# Altium PCB usb-cereal-cp-pcb.PcbDoc (continued)
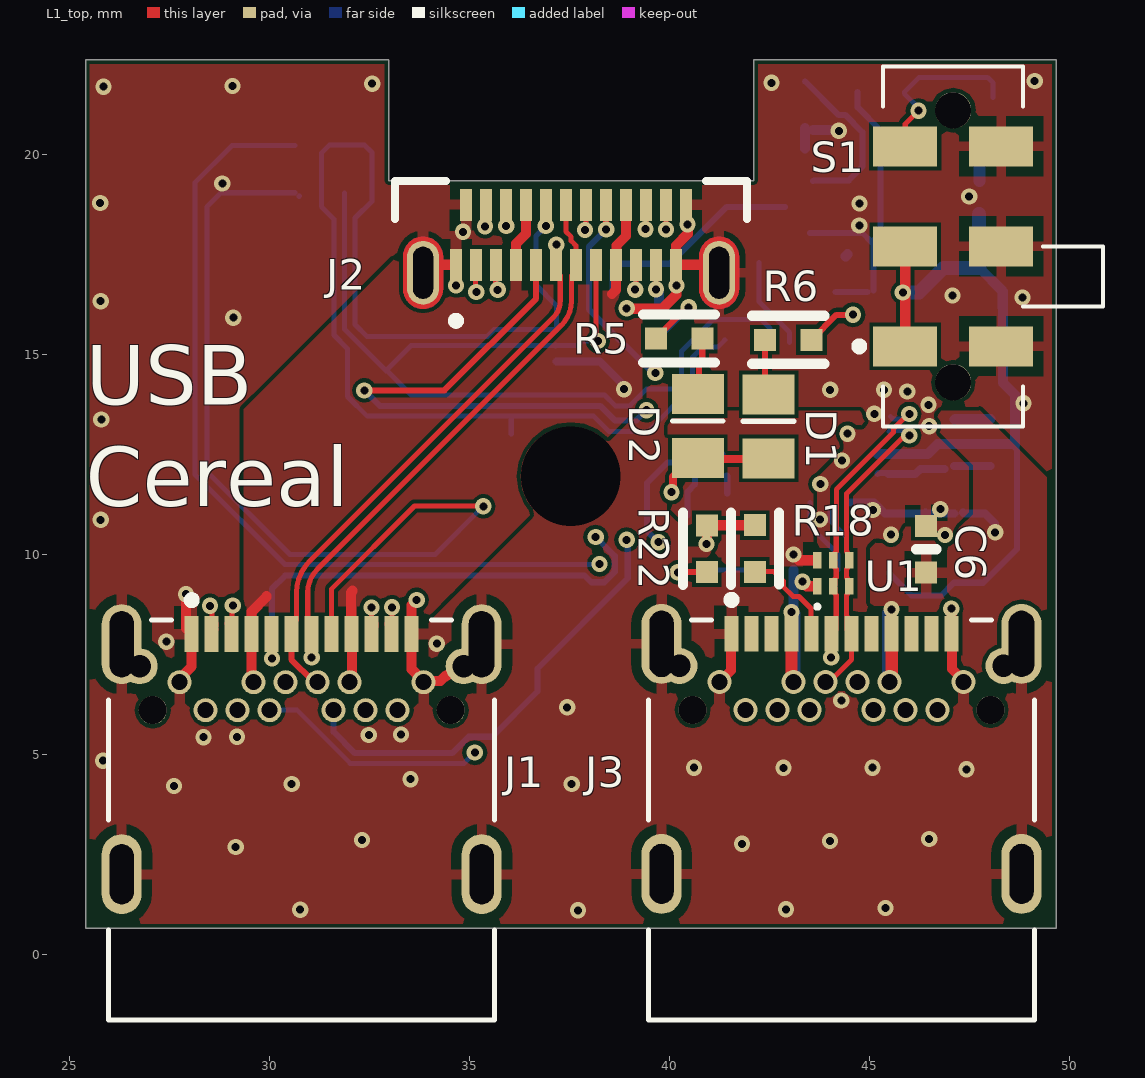
[diagram p0: L1_top view]
## Footprints (in the part's own frame and the unit in brackets; to place one, negate y for a bottom-side part, rotate by r counter-clockwise, add the part's x,y. Pads: shape width x height; smd on the part's side, far side on the other; paste and mask are expansions set on the pad) (continued)
  L6_bot region: 3.726,1.849 3.752,1.847 3.778,1.844 3.804,1.839 3.829,1.833 3.855,1.826 3.879,1.817 3.903,1.807 3.927,1.796 3.95,1.783 3.972,1.769 3.994,1.755 4.015,1.739 4.035,1.722 4.054,1.704 4.072,1.685 4.089,1.665 4.105,1.644 4.119,1.622 4.133,1.6 4.146,1.577 4.157,1.553 4.167,1.529 4.176,1.505 4.183,1.479 4.189,1.454 4.194,1.428 4.197,1.402 4.199,1.376 4.2,1.35 4.2,0.55 4.199,0.524 4.197,0.498 4.194,0.472 4.189,0.446 4.183,0.421 4.176,0.395 4.167,0.371 4.157,0.347 4.146,0.323 4.133,0.3 4.119,0.278 4.105,0.256 4.089,0.235 4.072,0.215 4.054,0.196 4.035,0.178 4.015,0.161 3.994,0.145 3.972,0.131 3.95,0.117 3.927,0.104 3.903,0.093 3.879,0.083 3.855,0.074 3.829,0.067 3.804,0.061 3.778,0.056 3.752,0.053 3.726,0.051 3.7,0.05 3.674,0.051 3.648,0.053 3.622,0.056 3.596,0.061 3.571,0.067 3.545,0.074 3.521,0.083 3.497,0.093 3.473,0.104 3.45,0.117 3.428,0.131 3.406,0.145 3.385,0.161 3.365,0.178 3.346,0.196 3.328,0.215 3.311,0.235 3.295,0.256 3.281,0.278 3.267,0.3 3.254,0.323 3.243,0.347 3.233,0.371 3.224,0.395 3.217,0.421 3.211,0.446 3.206,0.472 3.203,0.498 3.201,0.524 3.2,0.55 3.2,1.35 3.201,1.376 3.203,1.402 3.206,1.428 3.211,1.454 3.217,1.479 3.224,1.505 3.233,1.529 3.243,1.553 3.254,1.577 3.267,1.6 3.281,1.622 3.295,1.644 3.311,1.665 3.328,1.685 3.346,1.704 3.365,1.722 3.385,1.739 3.406,1.755 3.428,1.769 3.45,1.783 3.473,1.796 3.497,1.807 3.521,1.817 3.545,1.826 3.571,1.833 3.596,1.839 3.622,1.844 3.648,1.847 3.674,1.849 3.7,1.85
  silkscreen extent -4.4,-1.35 4.4,2.25
JS202011JAQN [mm]
  rect 1x1.6 smd: 1(-2.5,1.2) 2(0,1.2) 3(2.5,1.2) 4(-2.5,-1.2) 5(0,-1.2) 6(2.5,-1.2)
  round 0.9 hole 0.9 unplated: ""(-3.4,0) ""(3.4,0)
  silkscreen extent -4.5,-3.75 4.5,2.45
ONSC-UDFN-6-517AA-01_V [mm] "SON, 6-Leads, Body 1.2x1mm, Pitch 0.4mm"
  rect 0.42x0.22 smd: 1(-0.325,0.4) 2(-0.325,0) 3(-0.325,-0.4) 4(0.325,-0.4) 5(0.325,0) 6(0.325,0.4)
  silkscreen extent -0.88,0.35 -0.79,0.45, body extent -0.5,-0.6 0.5,0.6, height 0.55
QFN50P400X400X80-25N [mm]
  rrect25% 0.84x0.26 smd: 1(-1.935,1.25) 2(-1.935,0.75) 3(-1.935,0.25) 4(-1.935,-0.25) 5(-1.935,-0.75) 6(-1.935,-1.25) 13(1.935,-1.25) 14(1.935,-0.75) 15(1.935,-0.25) 16(1.935,0.25) 17(1.935,0.75) 18(1.935,1.25)
  rrect25% 0.26x0.84 smd: 7(-1.25,-1.935) 8(-0.75,-1.935) 9(-0.25,-1.935) 10(0.25,-1.935) 11(0.75,-1.935) 12(1.25,-1.935) 19(1.25,1.935) 20(0.75,1.935) 21(0.25,1.935) 22(-0.25,1.935) 23(-0.75,1.935) 24(-1.25,1.935)
  rect 2.45x2.45 smd paste-2: 25(0,0)
  silkscreen extent -3.08,-2 2,2, body extent -2,-2 2,2, height 0.81
SMD-0402-RES [mm]
  rect 0.55x0.55 smd: 1(0,0.584) 2(0,-0.584)
  silkscreen extent -0.6,-0.9 0.6,0.9, body extent -0.27,-0.57 0.28,0.58, height 0.41
SMD-0402C [mm]
  rect 0.55x0.55 smd: 1(0,0.584) 2(0,-0.584)
  silkscreen extent -0.25,0 0.25,0, body extent -0.25,-0.51 0.25,0.51, height 0.51
Testpoint [mm] "Testpoint 0.45mm"
  round 0.55 smd paste-1: 1(0,0)
  silkscreen extent -0.46,-0.46 0.46,0.46
TI-DGK8_N [mm] "SOP, 8-Leads, Body 3x3mm, Pitch 0.65mm, IPC Medium Density"
  oval 1.6x0.4 smd: 1(-2.1,0.975) 2(-2.1,0.325) 3(-2.1,-0.325) 4(-2.1,-0.975) 5(2.1,-0.975) 6(2.1,-0.325) 7(2.1,0.325) 8(2.1,0.975)
  silkscreen extent -2.22,-1.55 0.9,1.85, body extent -1.55,-1.55 1.55,1.55, height 1.1

## Part data
C1 C9 C10: library part GCM155C71A105KE38D, "CAP CER 1UF 10V X7S 0402", Digi-Key Part Number=490-13409-1-ND, Manufacturer="Murata Electronics North America", Operating Temperature="-55°C ~ 125°C", Package / Case="0402 (1005 Metric)", Ratings=AEC-Q200, Temperature Coefficient=X7S, Tolerance=±10%, Voltage=10V, @ qty=0, Applications=Automotive, Datasheets=http://www.murata.com/~/media/webrenewal/support/library/catalog/products/capacitor/mlcc/c03e.ashx, Factory Stock=0, Features=-, Height - Seated (Max)=-, Image=//media.digikey.com/Renders/Murata%20Renders/ZRB-SERIES-0402.jpg, Lead Spacing=-, Lead Style=-, Minimum Quantity=1, Mounting Type="Surface Mount, MLCC", Packaging="Cut Tape (CT)", Part Number=GCM155C71A105KE38D, Part Status=Active, Quantity Available=7240, Series=GCM, Size / Dimension="0.039\" L x 0.020\" W (1.00mm x 0.50mm)", Thickness (Max)="0.022\" (0.55mm)", Unit Price (USD)=0.12
C2 C5: library part GRM152R61A104KE19D, "CAP CER 0.1UF 10V X5R 0402", Digi-Key Part Number=490-10008-1-ND, Manufacturer="Murata Electronics North America", Operating Temperature="-55°C ~ 85°C", Package / Case="0402 (1005 Metric)", Ratings=-, Temperature Coefficient=X5R, Tolerance=±10%, Voltage=10V, @ qty=0, Applications="General Purpose", Datasheets=http://www.murata.com/~/media/webrenewal/support/library/catalog/products/capacitor/mlcc/c02e.pdf, Factory Stock=0, Features="Derating Recommended", Height - Seated (Max)=-, Image=//media.digikey.com/Renders/Murata%20Renders/ZRB-SERIES-0402.jpg, Lead Spacing=-, Lead Style=-, Minimum Quantity=1, Mounting Type="Surface Mount, MLCC", Packaging="Cut Tape (CT)", Part Number=GRM152R61A104KE19D, Part Status=Active, Quantity Available=80241, Series=GRM, Size / Dimension="0.039\" L x 0.020\" W (1.00mm x 0.50mm)", Thickness (Max)="0.009\" (0.22mm)", Unit Price (USD)=0.16
C3 C4: library part ZRB15XR61A475KE01D, "CAP CER 4.7UF 10V X5R 0402", Digi-Key Part Number=490-13252-1-ND, Manufacturer="Murata Electronics North America", Operating Temperature="-55°C ~ 85°C", Package / Case="0402 (1005 Metric)", Ratings=-, Temperature Coefficient=X5R, Tolerance=±10%, Voltage=10V, @ qty=0, Applications="Acoustic Noise Reduction", Datasheets=http://search.murata.co.jp/Ceramy/image/img/A01X/G101/ENG/ZRB15XR61A475KE01-01.pdf, Factory Stock=0, Features="Derating Recommended, Interposer Termination", Height - Seated (Max)=-, Image=//media.digikey.com/Renders/Murata%20Renders/ZRB-SERIES-0402.jpg, Lead Spacing=-, Lead Style=-, Minimum Quantity=1, Mounting Type="Surface Mount, MLCC", Packaging="Cut Tape (CT)", Part Number=ZRB15XR61A475KE01D, Part Status=Active, Quantity Available=23076, Series=ZRB, Size / Dimension="0.039\" L x 0.020\" W (1.00mm x 0.50mm)", Thickness (Max)="0.031\" (0.80mm)", Unit Price (USD)=0.28
C6: library part GCM155R71E103KA37D, "CAP CER 10000PF 25V X7R 0402", Digi-Key Part Number=490-6043-1-ND, Manufacturer="Murata Electronics North America", Operating Temperature="-55°C ~ 125°C", Package / Case="0402 (1005 Metric)", Ratings=AEC-Q200, Temperature Coefficient=X7R, Tolerance=±10%, Voltage=25V, @ qty=0, Applications=Automotive, Datasheets=http://www.murata.com/~/media/webrenewal/support/library/catalog/products/capacitor/mlcc/c03e.ashx, Factory Stock=0, Features=-, Height - Seated (Max)=-, Image=//media.digikey.com/Renders/Murata%20Renders/ZRB-SERIES-0402.jpg, Lead Spacing=-, Lead Style=-, Minimum Quantity=1, Mounting Type="Surface Mount, MLCC", Packaging="Cut Tape (CT)", Part Number=GCM155R71E103KA37D, Part Status=Active, Quantity Available=128782, Series=GCM, Size / Dimension="0.039\" L x 0.020\" W (1.00mm x 0.50mm)", Thickness (Max)="0.022\" (0.55mm)", Unit Price (USD)=0.1
D1: "LED", Color=Green
D2: "LED", Color=Yellow
J1 J3: "Type C, USB 3.1 Gen 2, 5 A, Right Angle, Surface Mount _SMT_ , USB Receptacle", Package=None, Availability=Unavailable, CUI_purchase_URL=https://www.cuidevices.com/product/interconnect/connectors/usb-connectors/uj31-ch-g1-smt-tr?utm_source=snapeda.com&utm_medium=referral&utm_campaign=snapedaBOM, MF="CUI Devices", MP=UJ31-CH-G1-SMT-TR, Price=None, SnapEDA_Link=https://www.snapeda.com/parts/UJ31-CH-G1-SMT-TR/CUI%20Devices/view-part/2754415/?ref=snap
J2: Package=None, Availability=Unavailable, Check_prices=https://www.snapeda.com/parts/USB4155-03-C/Global%20Connector%20Technology/view-part/5877141/?ref=eda, MF="Global Connector Technology", MP=USB4155-03-C, Price=None, SnapEDA_Link=https://www.snapeda.com/parts/USB4155-03-C/Global%20Connector%20Technology/view-part/5877141/?ref=snap
R1 R2 R16: library part ERJ-2GE0R00X, "RES SMD 0.0OHM JUMPER 1/10W 0402", Digi-Key Part Number=P0.0JCT-ND, Manufacturer="Panasonic Electronic Components", Operating Temperature="-55°C ~ 155°C", Package / Case="0402 (1005 Metric)", Power (Watts)="0.1W, 1/10W", Supplier Device Package=0402, Temperature Coefficient=-, Tolerance=Jumper, @ qty=1500, Composition="Thick Film", Datasheets=http://industrial.panasonic.com/www-cgi/jvcr13pz.cgi?E+PZ+3+AOA0001+ERJ2GE0R00X+7+WW, Factory Stock=0, Failure Rate=-, Features="Automotive AEC-Q200", Height - Seated (Max)="0.016\" (0.40mm)", Image=//media.digikey.com/Photos/Panasonic%20Photos/ERJ-PA2-Series.jpg, Minimum Quantity=1, Number of Terminations=2, Packaging="Cut Tape (CT)", Part Number=ERJ-2GE0R00X, Part Status=Active, Quantity Available=3152483, Series=ERJ, Size / Dimension="0.039\" L x 0.020\" W (1.00mm x 0.50mm)", Unit Price (USD)=0.00384
R5: library part ERJ-PA2F1001X, "RES SMD 1K OHM 1% 1/5W 0402", Digi-Key Part Number=P17224CT-ND, Manufacturer="Panasonic Electronic Components", Operating Temperature="-55°C ~ 155°C", Package / Case="0402 (1005 Metric)", Power (Watts)="0.2W, 1/5W", Supplier Device Package=0402, Temperature Coefficient=±100ppm/°C, Tolerance=±1%, @ qty=1500, Composition="Thick Film", Datasheets=https://industrial.panasonic.com/cdbs/www-data/pdf/RDA0000/AOA0000C243.pdf, Factory Stock=0, Failure Rate=-, Features="Automotive AEC-Q200, Pulse Withstanding", Height - Seated (Max)="0.016\" (0.40mm)", Image=//media.digikey.com/Photos/Panasonic%20Photos/ERJ-PA2-Series.jpg, Minimum Quantity=1, Number of Terminations=2, Packaging="Cut Tape (CT)", Part Number=ERJ-PA2F1001X, Part Status=Active, Quantity Available=20954, Series=ERJ, Size / Dimension="0.039\" L x 0.020\" W (1.00mm x 0.50mm)", Unit Price (USD)=0.03029
R6: library part ERJ-2RKF2700X, "RES SMD 270 OHM 1% 1/10W 0402", Digi-Key Part Number=P270LCT-ND, Manufacturer="Panasonic Electronic Components", Operating Temperature="-55°C ~ 155°C", Package / Case="0402 (1005 Metric)", Power (Watts)="0.1W, 1/10W", Supplier Device Package=0402, Temperature Coefficient=±100ppm/°C, Tolerance=±1%, @ qty=1500, Composition="Thick Film", Datasheets=http://industrial.panasonic.com/www-cgi/jvcr13pz.cgi?E+PZ+3+AOA0002+ERJ2RKF2700X+7+WW, Factory Stock=0, Failure Rate=-, Features="Automotive AEC-Q200", Height - Seated (Max)="0.016\" (0.40mm)", Image=//media.digikey.com/Photos/Panasonic%20Photos/ERJ-PA2-Series.jpg, Minimum Quantity=1, Number of Terminations=2, Packaging="Cut Tape (CT)", Part Number=ERJ-2RKF2700X, Part Status=Active, Quantity Available=74905, Series=ERJ, Size / Dimension="0.039\" L x 0.020\" W (1.00mm x 0.50mm)", Unit Price (USD)=0.00496
R9 R10: library part ERJ-2RKF5362X, "RES SMD 53.6K OHM 1% 1/10W 0402", Digi-Key Part Number=P53.6KLCT-ND, Manufacturer="Panasonic Electronic Components", Operating Temperature="-55°C ~ 155°C", Package / Case="0402 (1005 Metric)", Power (Watts)="0.1W, 1/10W", Supplier Device Package=0402, Temperature Coefficient=±100ppm/°C, Tolerance=±1%, @ qty=1500, Composition="Thick Film", Datasheets=http://industrial.panasonic.com/www-cgi/jvcr13pz.cgi?E+PZ+3+AOA0002+ERJ2RKF5362X+7+WW, Factory Stock=0, Failure Rate=-, Features="Automotive AEC-Q200", Height - Seated (Max)="0.016\" (0.40mm)", Image=//media.digikey.com/Photos/Panasonic%20Photos/ERJ-PA2-Series.jpg, Minimum Quantity=1, Number of Terminations=2, Packaging="Cut Tape (CT)", Part Number=ERJ-2RKF5362X, Part Status=Active, Quantity Available=72822, Series=ERJ, Size / Dimension="0.039\" L x 0.020\" W (1.00mm x 0.50mm)", Unit Price (USD)=0.00496
R11 R15 R20: library part ERJ-2RKF2212X, "RES SMD 22.1K OHM 1% 1/10W 0402", Digi-Key Part Number=P22.1KLCT-ND, Manufacturer="Panasonic Electronic Components", Operating Temperature="-55°C ~ 155°C", Package / Case="0402 (1005 Metric)", Power (Watts)="0.1W, 1/10W", Supplier Device Package=0402, Temperature Coefficient=±100ppm/°C, Tolerance=±1%, @ qty=1500, Composition="Thick Film", Datasheets=http://industrial.panasonic.com/www-cgi/jvcr13pz.cgi?E+PZ+3+AOA0002+ERJ2RKF2212X+7+WW, Factory Stock=0, Failure Rate=-, Features="Automotive AEC-Q200", Height - Seated (Max)="0.016\" (0.40mm)", Image=//media.digikey.com/Photos/Panasonic%20Photos/ERJ-PA2-Series.jpg, Minimum Quantity=1, Number of Terminations=2, Packaging="Cut Tape (CT)", Part Number=ERJ-2RKF2212X, Part Status=Active, Quantity Available=155553, Series=ERJ, Size / Dimension="0.039\" L x 0.020\" W (1.00mm x 0.50mm)", Unit Price (USD)=0.00496
R12: library part ERJ-2RKF3012X, "RES SMD 30.1K OHM 1% 1/10W 0402", Digi-Key Part Number=P30.1KLCT-ND, Manufacturer="Panasonic Electronic Components", Operating Temperature="-55°C ~ 155°C", Package / Case="0402 (1005 Metric)", Power (Watts)="0.1W, 1/10W", Supplier Device Package=0402, Temperature Coefficient=±100ppm/°C, Tolerance=±1%, @ qty=1500, Composition="Thick Film", Datasheets=http://industrial.panasonic.com/www-cgi/jvcr13pz.cgi?E+PZ+3+AOA0002+ERJ2RKF3012X+7+WW, Factory Stock=0, Failure Rate=-, Features="Automotive AEC-Q200", Height - Seated (Max)="0.016\" (0.40mm)", Image=//media.digikey.com/Photos/Panasonic%20Photos/ERJ-PA2-Series.jpg, Minimum Quantity=1, Number of Terminations=2, Packaging="Cut Tape (CT)", Part Number=ERJ-2RKF3012X, Part Status=Active, Quantity Available=32482, Series=ERJ, Size / Dimension="0.039\" L x 0.020\" W (1.00mm x 0.50mm)", Unit Price (USD)=0.00496
R18 R22: library part ERJ-2RKF5101X, "RES SMD 5.1K OHM 1% 1/10W 0402", Digi-Key Part Number=P5.10KLCT-ND, Manufacturer="Panasonic Electronic Components", Operating Temperature="-55°C ~ 155°C", Package / Case="0402 (1005 Metric)", Power (Watts)="0.1W, 1/10W", Supplier Device Package=0402, Temperature Coefficient=±100ppm/°C, Tolerance=±1%, @ qty=1500, Composition="Thick Film", Datasheets=http://industrial.panasonic.com/www-cgi/jvcr13pz.cgi?E+PZ+3+AOA0002+ERJ2RKF5101X+7+WW, Factory Stock=0, Failure Rate=-, Features="Automotive AEC-Q200", Height - Seated (Max)="0.016\" (0.40mm)", Image=//media.digikey.com/Photos/Panasonic%20Photos/ERJ-PA2-Series.jpg, Minimum Quantity=1, Number of Terminations=2, Packaging="Cut Tape (CT)", Part Number=ERJ-2RKF5101X, Part Status=Active, Quantity Available=553973, Series=ERJ, Size / Dimension="0.039\" L x 0.020\" W (1.00mm x 0.50mm)", Unit Price (USD)=0.00496
R21: library part ERJ-2RKF4752X, "RES SMD 47.5K OHM 1% 1/10W 0402", Digi-Key Part Number=P47.5KLCT-ND, Manufacturer="Panasonic Electronic Components", Operating Temperature="-55°C ~ 155°C", Package / Case="0402 (1005 Metric)", Power (Watts)="0.1W, 1/10W", Supplier Device Package=0402, Temperature Coefficient=±100ppm/°C, Tolerance=±1%, @ qty=1500, Composition="Thick Film", Datasheets=http://industrial.panasonic.com/www-cgi/jvcr13pz.cgi?E+PZ+3+AOA0002+ERJ2RKF4752X+7+WW, Factory Stock=0, Failure Rate=-, Features="Automotive AEC-Q200", Height - Seated (Max)="0.016\" (0.40mm)", Image=//media.digikey.com/Photos/Panasonic%20Photos/ERJ-PA2-Series.jpg, Minimum Quantity=1, Number of Terminations=2, Packaging="Cut Tape (CT)", Part Number=ERJ-2RKF4752X, Part Status=Active, Quantity Available=168568, Series=ERJ, Size / Dimension="0.039\" L x 0.020\" W (1.00mm x 0.50mm)", Unit Price (USD)=0.00496
S1: "Slide Switch DPDT Surface Mount, Right Angle", Package=None, Availability=Unavailable, MF=C&K, MP=JS202011JAQN, Price=None, SnapEDA_Link=https://www.snapeda.com/parts/JS202011JAQN/C&K/view-part/564121/?ref=snap
TP1 TP3 TP4 TP5 TP6 TP7 TP8 TP9: library part Testpoint
U1 U4: "Ultra Low Capacitance ESD Protection Array for High Speed Data Line Protection, 6-Pin UDFN, Pb-Free, Tape and Reel", Manufacturer="On Semiconductor", Supplier Part Number 1=92T2061, C Max (pF)=0.6, ComponentLink1Description="Manufacturer URL", ComponentLink1URL=http://www.onsemi.com/, ComponentLink2Description=Datasheet, ComponentLink2URL=http://www.onsemi.cn/pub_link/Collateral/ESDR0502N-D.PDF, ComponentLink3Description="Package Specification", ComponentLink3URL=http://www.onsemi.com/pub_link/Collateral/517AA.PDF, DatasheetVersion="Rev. 4", Direction=Unidirectional, IR Max (uA)=1, Mounting Technology="Surface Mount", Number of Lines=4, PackageDescription="6-Pin Small Outline No-Lead, Body 1.2 x 1 mm, Pitch 0.4 mm", PackageReference=UDFN-6-517AA-01, PackageVersion="Rev. D, 09/2010", Packing="Tape and Reel", PartNumber=ESDR0502NMUTAG, PPK Max (W)=100, RoHS=Pb-Free, Supplier 1=Newark, Supplier 2=Mouser, Supplier Part Number 2=863-ESDR0502NMUTAG, V(BR) Min (V)=6, VRWM Max (V)=5.5
U2: "Single Output Fast Transient Response LDO, 250 mA, Adjustable 1.5 to 5.5 V Output, 2.7 to 10 V Input, with Power Good Output, 8-pin MSOP (DGK), -40 to 125 degC, Green (RoHS & no Sb/Br)", Manufacturer="Texas Instruments", Power Good=TRUE, Supplier Part Number 1=296-8115-5-ND, Accuracy(%)=2, Code_JEDEC=MO-187, ComponentLink1Description="Manufacturer URL", ComponentLink1URL=http://www.ti.com/, ComponentLink2Description=Datasheet, ComponentLink2URL=http://www.ti.com/general/docs/lit/getliterature.tsp?genericPartNumber=TPS77401&fileType=pdf, ComponentLink3Description="Package Specification", ComponentLink3URL=http://www.ti.com/litv/pdf/mpds028d, DatasheetVersion=SLVS281E, Eco-Plan="Green (RoHS & no Sb/Br)", Iout(Max)(A)=0.25, Iq(Typ)(mA)=0.09, Mounting Technology="Surface Mount", PackageDescription="8-Pin Thin Small Outline Package 3 x 3 mm Body ,0.65 mm Pitch", PackageReference=DGK8, PackageVersion=4073329/E, PartNumber=TPS77401DGK, SubFamily="Single Channel LDO", Supplier 1=Digi-Key, Supplier 2=Newark, Supplier 3=Mouser, Supplier Part Number 2=77C1228, Supplier Part Number 3=595-TPS77401DGK, Vdo(Typ)(mV)=200, Vin(Max)(V)=10, Vin(Min)(V)=2.7, Vout Adj(Max)(V)=5.5, Vout Adj(Min)(V)=1.5
U3: "USB Bridge, USB to UART USB 2.0 UART Interface 24-QFN _4x4_", Package="WFQFN-24 Silicon Labs", Availability=Unavailable, MF="Silicon Labs", MP=CP2102N-A02-GQFN24R, Price=None, SnapEDA_Link=https://www.snapeda.com/parts/CP2102N-A02-GQFN24R/Silicon%20Labs/view-part/3601234/?ref=snap

## Free pads (board coordinates)
  round 1.524 hole 2.489 mask+0.102: 2(37.525,11.941)

## Via types
v1: diameter 0.406, hole 0.2, L1_top to L6_bot, tented both sides, 72 vias
v2: diameter 0.406, hole 0.2, L1_top to L3_top_sig, tented both sides, 38 vias
v3: diameter 0.406, hole 0.2, L6_bot to L4_bot_sig, tented both sides, 31 vias

## Nets (pads, with @x,y where several pads share a name; then routed paths per layer and width w, separated by ;. In a path a pad name is that pad's centre, name@x,y a point inside that pad or via, vN(x,y) a via of type N, cw(c..) or ccw(c..) an arc to the next point about the centre after c; other vN are vias at no path point)
A5_CC1: J1.A5 J2.A5 | length 29.4
  L1_top w0.152: J1.A5@30.047,7.777 30.078,7.746 30.058,7.726 v1(30.058,7.389) ; v1(32.368,14.091) 34.364,14.091 36.66,16.387 J2.A5
  L4_bot_sig w0.152: v1(38.149,10.426) 38.252,10.426 39.052,11.226 39.052,13.226 v1(39.422,13.596)
  L6_bot w0.152: v1(30.058,7.389) 30.058,9.135 30.386,9.462 37.874,9.462 38.042,9.295 38.364,9.295 38.627,9.557 38.627,9.948 v1(38.149,10.426) ; v1(32.368,14.091) 32.757,13.702 38.269,13.702 38.632,13.339 39.166,13.339 v1(39.422,13.596)
A8_SBU1: J2.A8 R2.1 TP5.1 U3.20 U4.2 U4.5 | length 23.7
  L1_top w0.127: J2.A8@38.162,16.993 38.162,15.377 v1@38.184,15.355
  L6_bot w0.127: R2.1 31.869,15.623 TP5.1 33.538,15.211 U4.2 37.146,15.211 U4.5@37.15,15.207 ; TP5.1@32.921,14.594 33.541,13.974 38.373,13.974 38.641,13.706 39.001,13.706 39.425,14.13 40.102,14.13 40.3,14.328 40.3,15.076 v3(41.009,15.785) ; U4.5@37.144,15.223 37.151,15.216 37.685,15.216 37.793,15.324 v1(38.205,15.324) ; v3@41.035,15.812 41.091,15.868 42.282,15.868 42.507,15.642 U3.20@42.507,15.376
B5_CC2: J1.B5 J2.B5 | length 21.1
  L1_top w0.152: J2.B5 38.41,18.141 v1@38.414,18.137
  L4_bot_sig w0.152: v1(38.927,10.356) 39.193,10.356 39.47,10.634 39.47,13.064 39.853,13.447 39.853,13.922 39.627,14.148 39.627,14.516 v1(39.64,14.529)
  L6_bot w0.152: J1.B5 31.6,5.554 32.129,5.024 34.569,5.024 34.978,5.433 35.564,5.433 36.696,6.565 36.696,7.137 38.952,9.394 38.952,10.331 v1(38.927,10.356) ; v1(38.414,18.117) 37.983,17.685 37.983,16.123 39.577,14.529 v1(39.64,14.529)
B8_SBU2: J2.B8 R1.1 TP3.1 U3.21 U4.3 U4.4 | length 37.2
  L1_top w0.127: v1(36.905,18.202) 36.91,18.207 J2.B8
  L4_bot_sig w0.127: v3@41.369,15.346 41.39,15.346 41.59,15.545 41.59,15.892 42.231,16.533 v3(42.231,17.289)
  L6_bot w0.127: TP3.1 36.04,13.417 36.069,13.447 ; v1(36.905,18.202) 36.656,17.953 36.656,16.724 37.167,16.214 U4.4@37.167,15.611 ; U4.4@37.167,15.601 U4.4@37.167,15.611 ; U4.4 U4.4@37.167,15.611 ; v3@41.378,15.346 41.203,15.172 40.82,15.172 40.571,14.922 40.571,14.18 39.45,13.06 38.488,13.06 38.101,13.447 36.069,13.447 ; v3(42.231,17.289) 42.231,16.31 42.998,15.543 U3.21@42.998,15.294 ; 36.069,13.447 32.441,13.447 31.948,13.939 31.948,15.136 31.61,15.474 31.61,18.371 31.292,18.689 31.292,20.021 31.493,20.221 R1.1 32.371,20.221 32.556,20.037 32.556,18.82 32.134,18.398 32.134,15.739 32.43,15.443 35.446,15.443 35.614,15.611 U4.3 U4.4@37.167,15.611
  other v3: 41.391,15.347
D_N: J1.A7 J1.B7 J2.A7 J2.B7 | length 14.7
  L1_top w0.127: J1.A7@30.953,8.049 30.953,7.651 ccw(c31.285,7.651) v2(31.05,7.416) 31.05,7.69 J1.A7@31.034,7.707 ; J1.A7@30.953,8.112 30.953,9.038 cw(c31.781,9.038) 31.195,9.623 37.295,15.723 ccw(c36.697,16.322) 37.543,16.322 J2.A7@37.543,16.96 ; J2.B7@37.411,18.467 37.411,18.058 37.538,17.931 37.538,17.832 37.66,17.71 J2.A7
  L3_top_sig w0.152: J1.B7@30.4,6.808 v2@31.029,7.437
  L4_bot_sig w0.152: J1.B7 J1.B7@30.4,6.808
D_P: J1.A6 J1.B6 J2.A6 J2.B6 | length 14.3
  L1_top w0.127: J1.A6@30.534,8.218 30.663,8.347 ccw(c30.637,8.373) 30.673,8.373 30.673,9.038 cw(c31.781,9.038) 30.998,9.821 37.098,15.921 ccw(c36.697,16.322) 37.264,16.322 J2.A6@37.264,16.961 ; v2(37.882,18.101) 37.907,18.126 J2.B6@37.907,18.478
  L1_top w0.152: J1.A6@30.544,7.989 30.541,7.985 30.541,7.363 31.088,6.816 31.2,6.816 J1.B6
  L3_top_sig w0.127: v2(37.166,17.734) 37.166,17.776 37.496,18.105 37.878,18.105 v2(37.882,18.101)
  L4_bot_sig w0.152: J1.B6 J1.B6@31.2,6.849
DBG_CC1: J3.A5 R18.2 | length 2.6
  L1_top w0.127: R18.2@42.037,9.562 42.611,9.562 42.842,9.331 42.842,9.185 43.087,8.941 43.232,8.941 43.536,8.637 J3.A5@43.536,8.02
DBG_CC2: J3.B5 R22.2 | length 13.7
  L1_top w0.152: v2(40.203,9.543) 40.21,9.549 R22.2
  L3_top_sig w0.152: v2(40.203,9.543) 39.959,9.786 38.963,9.786 38.321,9.144 38.321,5.889 39.03,5.18 44.173,5.18 J3.B5
DBG_VBUS: C1.1 C4.1 C5.1 C6.1 J3.A4 J3.A9 J3.B4 J3.B9 R15.2 TP4.1 U1.6 U2.5 U2.6 U3.7 | length 12.7
  L1_top w0.254: v1@43.086,9.991 43.234,9.843 U1.6@43.616,9.843
  L1_top w0.305: J3.A4@43.046,7.608 43.046,6.863 43.042,6.859 J3.B9 ; J3.B4 45.553,6.86 45.553,7.835 J3.A9@45.559,7.841
  L6_bot w0.203: U3.7@44.534,11.29 45.107,11.29 45.388,11.009 46.363,11.009 C5.1 46.423,11.012 C4.1@47.117,11.012 ; C4.1 47.361,11.015 47.884,11.015 48.137,10.762 v1(48.137,10.544)
  L6_bot w0.254: v1(43.048,8.551) 43.098,8.601 R15.2
  L6_bot w0.305: J3.B9 J3.B9@43.098,6.805 ; U2.6 47.747,19.96 U2.5@47.76,19.974 ; U2.5 C1.1@48.929,19.974
  L6_bot w0.356: J3.B9@43.098,6.805 v1@43.098,8.51 ; J3.B4@45.491,6.81 v1@45.491,8.518
  L6_bot w0.508: J3.B4@45.491,6.81 J3.B4
  other v1: 45.546,8.618 43.096,9.989
GND: C1.2 C2.2 C3.2 C4.2 C5.2 C6.2 C9.2 C10.2 J1.A1 J1.A12 J1.B1 J1.B12 J1.SH1 J1.SH2 J1.SH3 J1.SH4 J1.SH5 J1.SH6 J2.A1 J2.A12 J2.B1 J2.B12 J2.S1 J2.S2 J3.A1 J3.A12 J3.B1 J3.B12 J3.SH1 J3.SH2 J3.SH3 J3.SH4 J3.SH5 J3.SH6 pad.2 R12.1 R16.1 R18.1 R21.1 R22.1 S1.4 S1.5 S1.6 U1.1 U2.4 U3.2 U3.25 U4.1 | length 17.4
  L1_top w0.127: J1.B12@27.681,6.865 27.719,6.865 27.719,6.796 J1.B12 ; J1.SH5@34.59,7.146 J1.SH6@34.861,7.146 ; J3.A12@47.036,8.116 J3.A12@47.044,8.124 ; v1(47.041,8.635) v1@47.044,8.632
  L1_top w0.254: J1.B12@27.732,6.873 28.05,7.19 J1.A1 27.906,8.145 v2(27.906,8.998) ; J1.A12@33.547,8.111 33.547,8.725 v2(33.676,8.854) ; J1.A12 33.55,7.118 33.85,6.818 J1.B1 33.882,6.828 34.273,6.828 34.411,6.967 34.446,6.967 34.59,7.112 J1.SH5@34.59,7.146 ; J2.S2@34.082,17.185 34.129,17.232 J2.A1 ; v2(38.926,16.143) 38.938,16.131 39.817,16.131 40.169,16.483 v2(40.169,16.713) ; J2.B1@40.418,18.508 40.418,18.261 40.437,18.242 v1(40.446,18.242) 40.455,18.234 40.455,18.005 40.16,17.711 J2.A12 40.99,17.232 J2.S1@40.991,17.233 ; R22.1 40.931,10.255 v1@40.932,10.253 ; R22.1@40.977,10.724 40.981,10.721 R18.1 ; J3.B12 41.533,7.09 J3.A1@41.533,7.856 ; v2@43.302,9.312 43.421,9.193 U1.1@43.65,9.193 ; J3.A12@47.044,8.124 v1@47.044,8.632 ; J3.A12@47.058,7.997 47.058,7.125 47.347,6.837 J3.B1
  L6_bot w0.254: U2.4@43.385,20.136 R16.1 ; R16.1@43.583,20.601 44.209,20.601 v1(44.229,20.581) ; v3@44.403,17.445 44.444,17.485 v3(44.444,17.498) ; v1(47.041,8.635) v1(47.041,8.635) ; C2.2@47.125,13.36 47.139,13.374 C3.2
  other v1: 37.711,1.092 30.763,1.11 42.908,1.12 45.399,1.149 29.152,2.678 41.809,2.755 44.008,2.829 32.309,2.852 46.489,2.873 27.606,4.202 30.55,4.254 37.551,4.252 33.524,4.372 47.424,4.618 40.606,4.659 42.843,4.657 45.072,4.659 25.831,4.834 28.347,5.42 29.183,5.432 32.479,5.474 33.283,5.489 44.293,6.34 40.919,10.253 46.884,10.477 45.532,10.484 25.775,10.857 46.488,13.195 25.792,13.366 46.472,13.731 45.941,14.062 25.775,16.322 34.656,16.715 34.832,18.056 25.764,18.775 25.846,21.685 29.074,21.699 32.562,21.761 42.544,21.779 49.126,21.824
  other v2: 37.438,6.167 34.18,7.758 27.416,7.81 43.321,9.307 43.757,10.864 45.08,11.1 46.767,11.123 43.768,11.751 44.311,12.339 44.449,13.008 45.116,13.506 48.849,13.767 44.012,14.106 45.356,14.106 29.092,15.908 48.822,16.415 47.069,16.461 44.743,18.215 44.748,18.761 47.488,18.939 28.815,19.265
  other v3: 36.269,6.688 42.224,6.734 30.594,7.414 37.326,8.359 47.696,9.832 27.788,10.051 40.343,10.132 42.521,10.126 42.468,12.28 44.194,12.315 30.563,12.464 42.369,14.043 44.168,14.081 37.243,14.362 34.16,14.72 46.657,15.148 47.129,16.524 45.649,17.597 27.463,17.632 29.308,18.281 46.177,19 27.463,19.102
LDO_FB: R10.1 R11.1 R12.2 U2.1 | length 7.7
  L6_bot w0.152: U2.1@43.514,18.026 44.821,18.026 45.047,17.8 ; R12.2@44.153,16.549 R10.1@44.947,16.549 ; R11.1 44.7,21.165 45.271,20.593 45.271,18.024 45.047,17.8 ; R10.1@45.1,16.588 45.1,17.747 45.047,17.8
NetD1_2: D1.2 R6.2 | length 1.2
  L1_top w0.152: R6.2 42.379,14.191 D1.2@42.397,14.173
NetD2_2: D2.2 R5.2 | length 1.5
  L1_top w0.152: D2.2 40.731,14.028 40.731,14.708 40.814,14.791 40.814,15.372 cw(c40.862,15.372) R5.2@40.828,15.406
NetR9_1: R9.1 U2.2 | length 5.5
  L6_bot w0.152: R9.1@38.567,16.536 38.567,17.092 38.732,17.258 40.003,17.258 41.418,18.672 U2.2@42.879,18.672
NetR11_2: R11.2 S1.3 TP8.1 | length 4.4
  L1_top w0.127: S1.3 45.89,20.753 46.225,21.089 v1@46.225,21.097
  L6_bot w0.127: v1@46.208,21.17 45.868,21.51 R11.2 46.239,21.917 47.945,21.917 48.087,21.776 TP8.1@48.087,21.416
  other v1: 46.219,21.083
NetR15_1: R15.1 R21.2 U3.8 | length 5.4
  L4_bot_sig w0.127: v3(41.373,9.6) 42.475,10.702 44.15,10.702 v3(44.39,10.462)
  L6_bot w0.127: R21.2 41.373,9.598 41.891,9.598 R15.1@41.905,9.612 ; U3.8@44.013,11.066 44.013,10.829 44.38,10.462 v3(44.39,10.462)
NetR16_2: R16.2 U2.3 | length 4.2
  L6_bot w0.152: R16.2 44.218,20.98 44.388,20.98 44.819,20.549 44.819,19.685 44.476,19.342 43.607,19.342 U2.3@43.586,19.322
NetR20_1: R20.1 U3.9 | length 2
  L6_bot w0.127: U3.9@43.508,11.289 43.508,10.692 44.208,9.992 R20.1
RX1_N: J1.B10 J2.B10 | length 15.6
  L4_bot_sig w0.127: J1.B10 cw(c29.87,6.767) 28.922,6.767 cw(c30.087,6.767) 29.263,7.59 29.785,8.112 ccw(c29.359,8.538) 29.961,8.538 29.961,9.009 cw(c30.476,9.009) 30.112,9.373 36.43,15.692 36.456,15.717 ccw(c36.062,16.113) 36.62,16.113 36.62,16.496 ccw(c36.125,16.496) 36.557,16.738 36.557,16.764 35.83,17.492 cw(c35.902,17.564) 35.8,17.564 35.8,17.981 35.859,18.04 35.859,18.201 v1(35.913,18.201)
RX1_P: J1.B11 J2.B11 | length 15.6
  L4_bot_sig w0.127: J1.B11@28.4,6.147 J1.B11 ccw(c27.796,6.7) 28.65,6.7 cw(c30.272,6.7) 29.125,7.847 29.587,8.31 ccw(c29.359,8.538) 29.682,8.538 29.682,9.009 cw(c30.476,9.009) 29.914,9.571 36.259,15.916 ccw(c36.062,16.113) 36.341,16.113 36.341,16.496 ccw(c36.125,16.496) 36.278,16.648 35.632,17.294 cw(c35.902,17.564) 35.52,17.564 35.52,17.984 ccw(c35.312,17.984) 35.519,18.002 35.494,18.028 35.494,18.086 ccw(c35.312,17.984) 35.459,18.131 35.44,18.151 v1@35.44,18.213
  other v1: 35.384,18.194
RX2_N: J1.A10 J2.A10 | length 13
  L1_top w0.127: J1.A10@32.546,8.178 32.547,8.18 v2(32.547,8.665) ; J1.A10 ccw(c32.283,8.268) J1.A10@32.66,8.268 ; J1.A10 ccw(c32.283,8.268) J1.A10@32.659,8.238 ; J2.A10@39.133,17.199 cw(c39.082,17.149) 39.153,17.149 v2@39.153,16.614
  L3_top_sig w0.127: v2(32.547,8.665) ccw(c32.302,8.91) 32.648,8.91 32.648,9.015 cw(c34.149,9.015) 33.088,10.076 37.606,14.595 cw(c38.038,14.163) 38.038,14.773 38.745,14.773 ccw(c38.745,15.268) 39.094,14.918 ccw(c38.573,15.439) 39.31,15.439 39.31,16.383 ccw(c39.086,16.407) v2@39.156,16.622
  other v2: 39.138,16.61
RX2_P: J1.A11 J2.A11 | length 13
  L1_top w0.127: J1.A11@32.939,8.268 ccw(c33.316,8.268) J1.A11 ; J1.A11@32.941,8.238 ccw(c33.316,8.268) J1.A11 ; J1.A11@33.035,8.191 33.061,8.218 v2(33.061,8.668) ; v2(39.656,16.62) 39.656,17.174 J2.A11@39.665,17.183
  L3_top_sig w0.127: v2@33.099,8.672 33.065,8.672 v2(33.061,8.668) cw(c33.383,8.99) 32.928,8.99 32.928,9.015 cw(c34.149,9.015) 33.285,9.879 37.835,14.428 cw(c37.993,14.27) 37.993,14.494 38.745,14.494 ccw(c38.745,15.268) 39.292,14.721 ccw(c38.573,15.439) 39.589,15.439 39.589,16.593 v2(39.656,16.62)
RXLED: R5.1 TP9.1 U3.13 | length 7.6
  L1_top w0.152: R5.1 40.432,16.169 v1(40.474,16.169)
  L4_bot_sig w0.152: v1@40.491,16.174 40.491,14.731 41.402,13.819 41.402,11.515 v3(41.439,11.515)
  L6_bot w0.152: TP9.1 39.85,15.544 v1(40.474,16.169) ; U3.13@41.428,11.964 41.439,11.953 v3(41.439,11.515)
SBU1_R: J1.A8 R2.2 | length 23
  L1_top w0.127: J1.A8 31.55,9.13 33.623,11.204 v1@35.341,11.204
  L6_bot w0.127: R2.2@30.638,19.032 28.784,19.032 28.429,18.677 28.429,12.066 30.506,9.988 34.137,9.988 v1(35.341,11.192) ; R2.2@30.733,18.941 R2.2@30.74,18.948
SBU2_R: J1.B8 R1.2 | length 34.1
  L3_top_sig w0.127: v1(35.128,5.037) 36.992,5.037 37.844,5.889 37.844,9.348 38.223,9.727 v1@38.223,9.736
  L6_bot w0.127: J1.B8 30.687,6.096 32.015,4.767 34.858,4.767 v1(35.128,5.037) ; R1.2@30.638,20.209 29.056,20.209 28.129,19.282 28.129,11.99 30.383,9.737 v1@38.217,9.737
  other v1: 38.245,9.749
TX1_N: J1.A3 J2.A3 | length 12.1
  L1_top w0.127: J1.A3@28.939,8.268 ccw(c29.316,8.268) J1.A3 ; v2@29.002,8.704 29.058,8.648 29.058,8.063 29.058,8.002 J1.A3@29.064,7.996 ; v2@35.651,16.59 35.651,16.993 J2.A3@35.654,16.996
  L3_top_sig w0.127: v2@29.002,8.704 28.934,8.772 28.934,9.018 cw(c30.202,9.018) 29.305,9.915 35.404,16.013 ccw(c35.078,16.338) 35.538,16.329 35.586,16.377 35.586,16.511 cw(c35.875,16.338) 35.637,16.576 v2@35.651,16.59
  other v2: 29.079,8.713 35.7,16.607
TX1_P: J1.A2 J2.A2 | length 12.1
  L1_top w0.127: v2(28.507,8.704) 28.563,8.648 J1.A2@28.563,8.21 ; J1.A2@28.551,8.01 J1.A2@28.555,8.006 ; J1.A2@28.66,8.112 J1.A2@28.555,8.006 ; J1.A2@28.66,8.268 cw(c28.283,8.268) J1.A2@28.555,8.006 ; v2@35.146,16.595 35.146,16.897 cw(c35.234,16.897) J2.A2@35.172,16.959 ; J1.A2@28.555,8.006 cw(c28.283,8.268) J1.A2 J1.A2@28.555,8.006
  L3_top_sig w0.127: v2(28.507,8.704) 28.583,8.704 28.583,8.878 28.655,8.949 28.655,9.018 cw(c30.202,9.018) 29.108,10.112 30.153,11.157 35.206,16.21 ccw(c35.078,16.338) 35.259,16.338 ccw(c34.912,16.338) 35.157,16.584 35.146,16.595 35.146,16.572 v2@35.114,16.54
  other v2: 35.167,16.55
TX2_N: J1.B3 J2.B3 | length 16.4
  L1_top w0.127: v1@39.41,18.123 J2.B3
  L4_bot_sig w0.127: J1.B3 ccw(c31.771,6.725) 32.66,6.725 32.66,6.969 ccw(c32.402,6.969) 32.585,7.151 32.033,7.702 cw(c32.695,8.363) 31.76,8.363 31.76,9.535 cw(c32.925,9.535) 32.101,10.36 38.391,16.649 ccw(c38.239,16.801) 38.453,16.801 38.453,16.841 cw(c39.024,16.841) 38.621,17.244 38.696,17.319 cw(c39.014,17.001) 39.014,17.451 39.128,17.451 ccw(c39.128,17.595) 39.23,17.493 39.392,17.655 39.397,17.655 39.488,17.747 ccw(c39.41,17.824) 39.52,17.824 v1@39.52,18.055 ; v1@39.353,18.057 39.353,18.079 39.403,18.129 v1@39.41,18.123
  other v1: 39.396,18.122
TX2_P: J1.B2 J2.B2 | length 16.1
  L1_top w0.127: v1(39.908,18.116) J2.B2@39.908,18.535
  L4_bot_sig w0.127: J1.B2 cw(c33.828,6.725) 32.939,6.725 32.939,6.969 ccw(c32.402,6.969) 32.782,7.348 32.231,7.899 cw(c32.695,8.363) 32.039,8.363 32.039,9.535 cw(c32.925,9.535) 32.299,10.162 38.588,16.452 ccw(c38.239,16.801) 38.733,16.801 38.733,16.841 cw(c39.024,16.841) 38.818,17.046 38.893,17.121 cw(c39.014,17.001) 39.014,17.171 39.128,17.171 ccw(c39.128,17.595) 39.427,17.295 39.686,17.554 39.691,17.554 ccw(c39.428,17.817) 39.8,17.817 v1@39.8,18.055
TXLED: R6.1 TP7.1 U3.14 | length 15.3
  L1_top w0.152: R6.1 44.169,15.978 v1@44.588,15.978
  L3_top_sig w0.152: v1(39.72,10.298) 39.532,10.486 39.532,12.516 42.999,15.983 v1(44.582,15.983)
  L6_bot w0.152: v1(39.72,10.298) 39.432,10.585 39.432,11.771 39.955,12.293 40.63,12.293 40.63,11.744 40.448,11.562 TP7.1@40.448,10.96 ; 40.636,12.287 40.847,12.498 U3.14
USB_FT_HS_N: J3.A7 J3.B7 U1.3 U1.4 U3.4 | length 8.1
  L1_top w0.127: J3.B7 43.991,6.804 44.547,7.359 J3.A7 44.435,8.12 44.435,8.453 44.418,8.47 44.418,8.575 44.419,8.577 44.419,8.972 44.446,8.999 44.446,9.147 U1.3 44.446,9.24 44.446,9.388 44.419,9.414 44.419,9.622 44.446,9.649 44.446,9.797 U1.4 44.446,9.89 44.446,10.039 44.421,10.064 44.421,11.509 45.894,12.982 45.976,12.982 v1(45.993,12.965)
  L6_bot w0.127: U3.4@45.487,13.064 45.518,13.064 45.544,13.09 45.934,13.09 46.037,12.987 46.07,12.987 46.049,12.965 v1(45.993,12.965)
USB_FT_HS_P: J3.A6 J3.B6 U1.2 U1.5 U3.3 | length 8.4
  L1_top w0.127: v2(44.038,7.415) 44.042,7.419 44.042,7.961 J3.A6@44.044,7.963 ; J3.A6 44.158,8.12 44.158,8.453 44.164,8.459 44.164,8.681 44.165,8.682 44.165,8.972 44.139,8.999 44.139,9.147 U1.2 44.139,9.24 44.139,9.388 44.165,9.414 44.165,9.622 44.139,9.649 44.139,9.797 U1.5 44.139,9.89 44.139,10.038 44.165,10.064 44.165,10.535 44.165,11.087 ; 44.167,11.087 44.167,11.141 44.167,11.614 45.591,13.038 45.591,13.128 45.919,13.456 v1@46.009,13.456
  L3_top_sig w0.127: v2@44.105,7.388 44.69,6.804 J3.B6
  L6_bot w0.127: U3.3@45.517,13.444 45.586,13.375 45.979,13.375 46.004,13.399 v1@46.004,13.455
  other v1: 45.991,13.502
VBUS: J1.A4 J1.A9 J1.B4 J1.B9 J2.A4 J2.A9 J2.B4 J2.B9 U4.6 | length 16.7
  L1_top w0.203: J2.B9@36.41,18.389 J2.B9
  L1_top w0.254: J1.B9 29.55,6.846 J1.A4 29.55,8.556 29.906,8.912 ccw(c29.864,8.954) 29.923,8.954 ; J1.B4 32.054,6.851 J1.A9@32.054,7.89 ; J1.A9 32.031,8.02 32.031,9.032 32.073,9.074 32.073,9.086 ; J2.A4 36.16,17.757 36.41,18.007 J2.B9@36.41,18.389 ; 38.559,16.503 38.66,16.604 J2.A9 ; J2.A9@38.671,17.455 38.671,17.712 38.91,17.951 J2.B4
  L3_top_sig w0.356: J1.B9 29.484,6.912 29.484,7.687 29.918,8.122 29.918,8.828 30.165,9.075 31.436,9.075 31.757,8.755 31.757,8.319 32,8.076 J1.B4
  L6_bot w0.203: U4.6 38.251,14.811 38.867,14.196 38.867,14.131 v1(38.859,14.122)
VREG_OUT: C2.1 C3.1 D1.1 D2.1 U3.6 | length 14.4
  L1_top w0.203: v1(40.047,11.546) 40.086,11.584 40.086,11.931 40.554,12.399 D2.1 40.725,12.378 D1.1@42.507,12.378
  L4_bot_sig w0.203: v1(40.047,11.546) 40.047,11.152 40.532,10.668 41.89,10.668 42.866,11.644 46.976,11.644 v3(47.546,12.214)
  L6_bot w0.152: U3.6 45.223,12.025 45.401,12.025 U3.6@45.468,11.997
  L6_bot w0.203: U3.6@45.468,11.997 46.139,11.997 46.273,12.13 C2.1@46.874,12.13 ; C2.1@47.104,12.205 C3.1
VSBU: C9.1 C10.1 R9.2 R10.2 R20.2 S1.1 S1.2 TP6.1 U2.7 U2.8 U3.5 | length 36
  L1_top w0.152: S1.2@45.719,17.864 S1.2
  L1_top w0.254: S1.1 45.89,16.48 v1(45.83,16.54) 45.89,16.6 S1.2@45.89,17.637
  L4_bot_sig w0.254: v3(39.736,16.155) 40.101,15.79 40.101,14.329 40.785,13.644 40.785,11.258 40.981,11.062 41.667,11.062 41.996,11.392 41.996,11.625 41.897,11.724 41.897,14.443 42.168,14.714 44.003,14.714 v1(45.83,16.54)
  L6_bot w0.152: R20.2@45.491,9.524 46.051,8.964 46.784,8.964 47.104,9.283 47.838,9.283 48.342,9.787 48.687,10.132 48.687,12.603 48.542,12.748
  L6_bot w0.254: v3@39.733,16.153 R9.2 ; U3.5 46.448,12.498 46.698,12.748 48.542,12.748 ; 47.744,17.15 48.327,16.567 C9.1 ; C9.1@48.333,16.204 C10.1 48.333,14.281 48.633,13.981 48.633,12.73
  L6_bot w0.356: v1(45.83,16.54) 46.234,16.54 46.844,17.15 47.744,17.15 U2.8@47.744,17.912 ; U2.8@47.732,18.024 U2.7@47.732,18.495
pads on no net: J1. J3. J3.A2 J3.A3 J3.A8 J3.A10 J3.A11 J3.B2 J3.B3 J3.B8 J3.B10 J3.B11 S1. TP1.1 U3.1 U3.10 U3.11 U3.12 U3.15 U3.16 U3.17 U3.18 U3.19 U3.22 U3.23 U3.24

## Polygon pours and split planes (outlines as drawn)
GND on L6_bot "NONET_L-01_P-001" (solid, pour order 6): 24.452,24.321 50.487,24.321 50.487,-0.45 50.512,-0.474 50.487,-0.499 24.289,-0.499 24.289,24.316 24.284,24.321
VSBU on L6_bot "NONET_L-01_P-001" (solid, pour order 2): 46.36,18.942 46.158,18.739 46.158,18.153 45.389,17.384 45.342,17.337 45.342,15.601 47.92,15.601 48.116,15.796 48.116,18.797 47.968,18.944
DBG_VBUS on L6_bot "NONET_L-01_P-001" (solid, pour order 0): 47.196,20.295 47.206,20.285 47.206,19.023 48.09,19.023 48.116,18.997 48.116,10.013 47.906,9.803 43.417,9.803 42.412,8.798 42.412,7.248 42.882,6.778 46.961,6.778 49.393,9.21 49.393,20.3
GND on L1_top "NONET_L-01_P-001" (solid, pour order 7): 24.5,24.244 50.536,24.244 50.536,-0.527 50.56,-0.551 50.536,-0.576 24.337,-0.576 24.337,24.239 24.333,24.244
DBG_VBUS on L1_top "NONET_L-01_P-001" (solid, pour order 1): 39.958,13.205 39.958,11.187 41.448,9.697 43.535,9.697 43.585,9.746 43.585,11.965 45.002,13.383 46.427,13.383 47.584,12.226 47.584,10.996 47.269,10.682 45.55,10.682 45.018,10.15 45.018,8.706 45.281,8.442 45.281,6.485 45.42,6.346 48.399,6.346 49.428,7.374 49.428,11.919 47.753,13.593 47.737,13.577 40.193,13.577
VBUS on L1_top "NONET_L-01_P-001" (solid, pour order 3): 32.226,6.493 32.226,6.701 39.318,13.789 39.318,23.01 36.059,23.01 36.059,20.308 29.348,13.617 29.348,6.493
GND on L5_bot_gnd "NONET_L-01_P-001" (solid, pour order 4): 24.877,24.142 50.912,24.142 50.912,-0.629 50.937,-0.654 50.912,-0.678 24.714,-0.678 24.714,24.136 24.709,24.141
GND on L2_top_gnd "NONET_L-01_P-001" (solid, pour order 5): 24.877,24.167 50.912,24.167 50.912,-0.604 50.937,-0.628 50.912,-0.653 24.714,-0.653 24.714,24.162 24.709,24.166

## Silkscreen, mask and mechanical layers (free items; w line width, h text height)
Top Overlay:
  text "USB / Cereal" at 25.407,10.708 h2.54
Bottom Overlay:
  lines w0.254: 27.308,0.889 27.308,5.142 ; 27.31,5.145 34.295,5.145 ; 34.297,0.893 34.297,5.147 ; 40.777,0.893 40.777,5.147 ; 40.779,5.15 47.764,5.15 ; 47.756,5.142 47.767,5.153 47.766,5.152 47.766,0.898
  text "v3 CP2102N / 052022" at 27.392,22.127 h1.02 r90
  text "0xDA" at 35.247,9.175 h3.81
  text "Serial" at 47.103,1.859 h2.54
  text "Pass / Thru" at 34.678,0.749 h2.54
Outline:
  circle w0.013: c47.092,21.086 r0.4
  circle w0.013: c27.075,6.099 r0.3
  circle w0.013: c27.075,6.099 r0.3
  circle w0.013: c34.525,6.099 r0.3
  circle w0.013: c40.575,6.099 r0.3
  circle w0.013: c40.575,6.099 r0.3
  circle w0.013: c48.025,6.099 r0.3
  circle w0.013: c47.092,14.286 r0.4
  circle w0.013: c47.092,14.286 r0.4
  circle w0.013: c37.534,11.945 r1
  lines w0.013: 25.397,0.643 49.665,0.643 ; 25.397,0.643 25.397,22.36 ; 25.397,0.643 25.397,22.36 ; 25.397,0.643 49.665,0.643 ; 25.397,22.36 32.977,22.36 ; 25.397,22.36 32.977,22.36 ; 32.977,19.336 32.977,22.36 ; 32.977,19.336 42.1,19.336 ; 32.977,19.336 42.1,19.336 ; 32.977,19.336 32.977,22.36 ; 42.1,19.336 42.1,22.36 ; 42.1,19.336 42.1,22.36 ; 42.1,22.36 49.665,22.36 ; 42.1,22.36 49.665,22.36 ; 49.665,0.643 49.665,22.36 ; 49.665,0.643 49.665,22.36

## Text inside footprints (layer, text, board x,y; h text height)
J2: Mechanical 13 "PCB Edge" at 32.535,19.082 h0.81 r180